# Altium PCB eeg.PcbDoc (part 1 of 2) (continued)
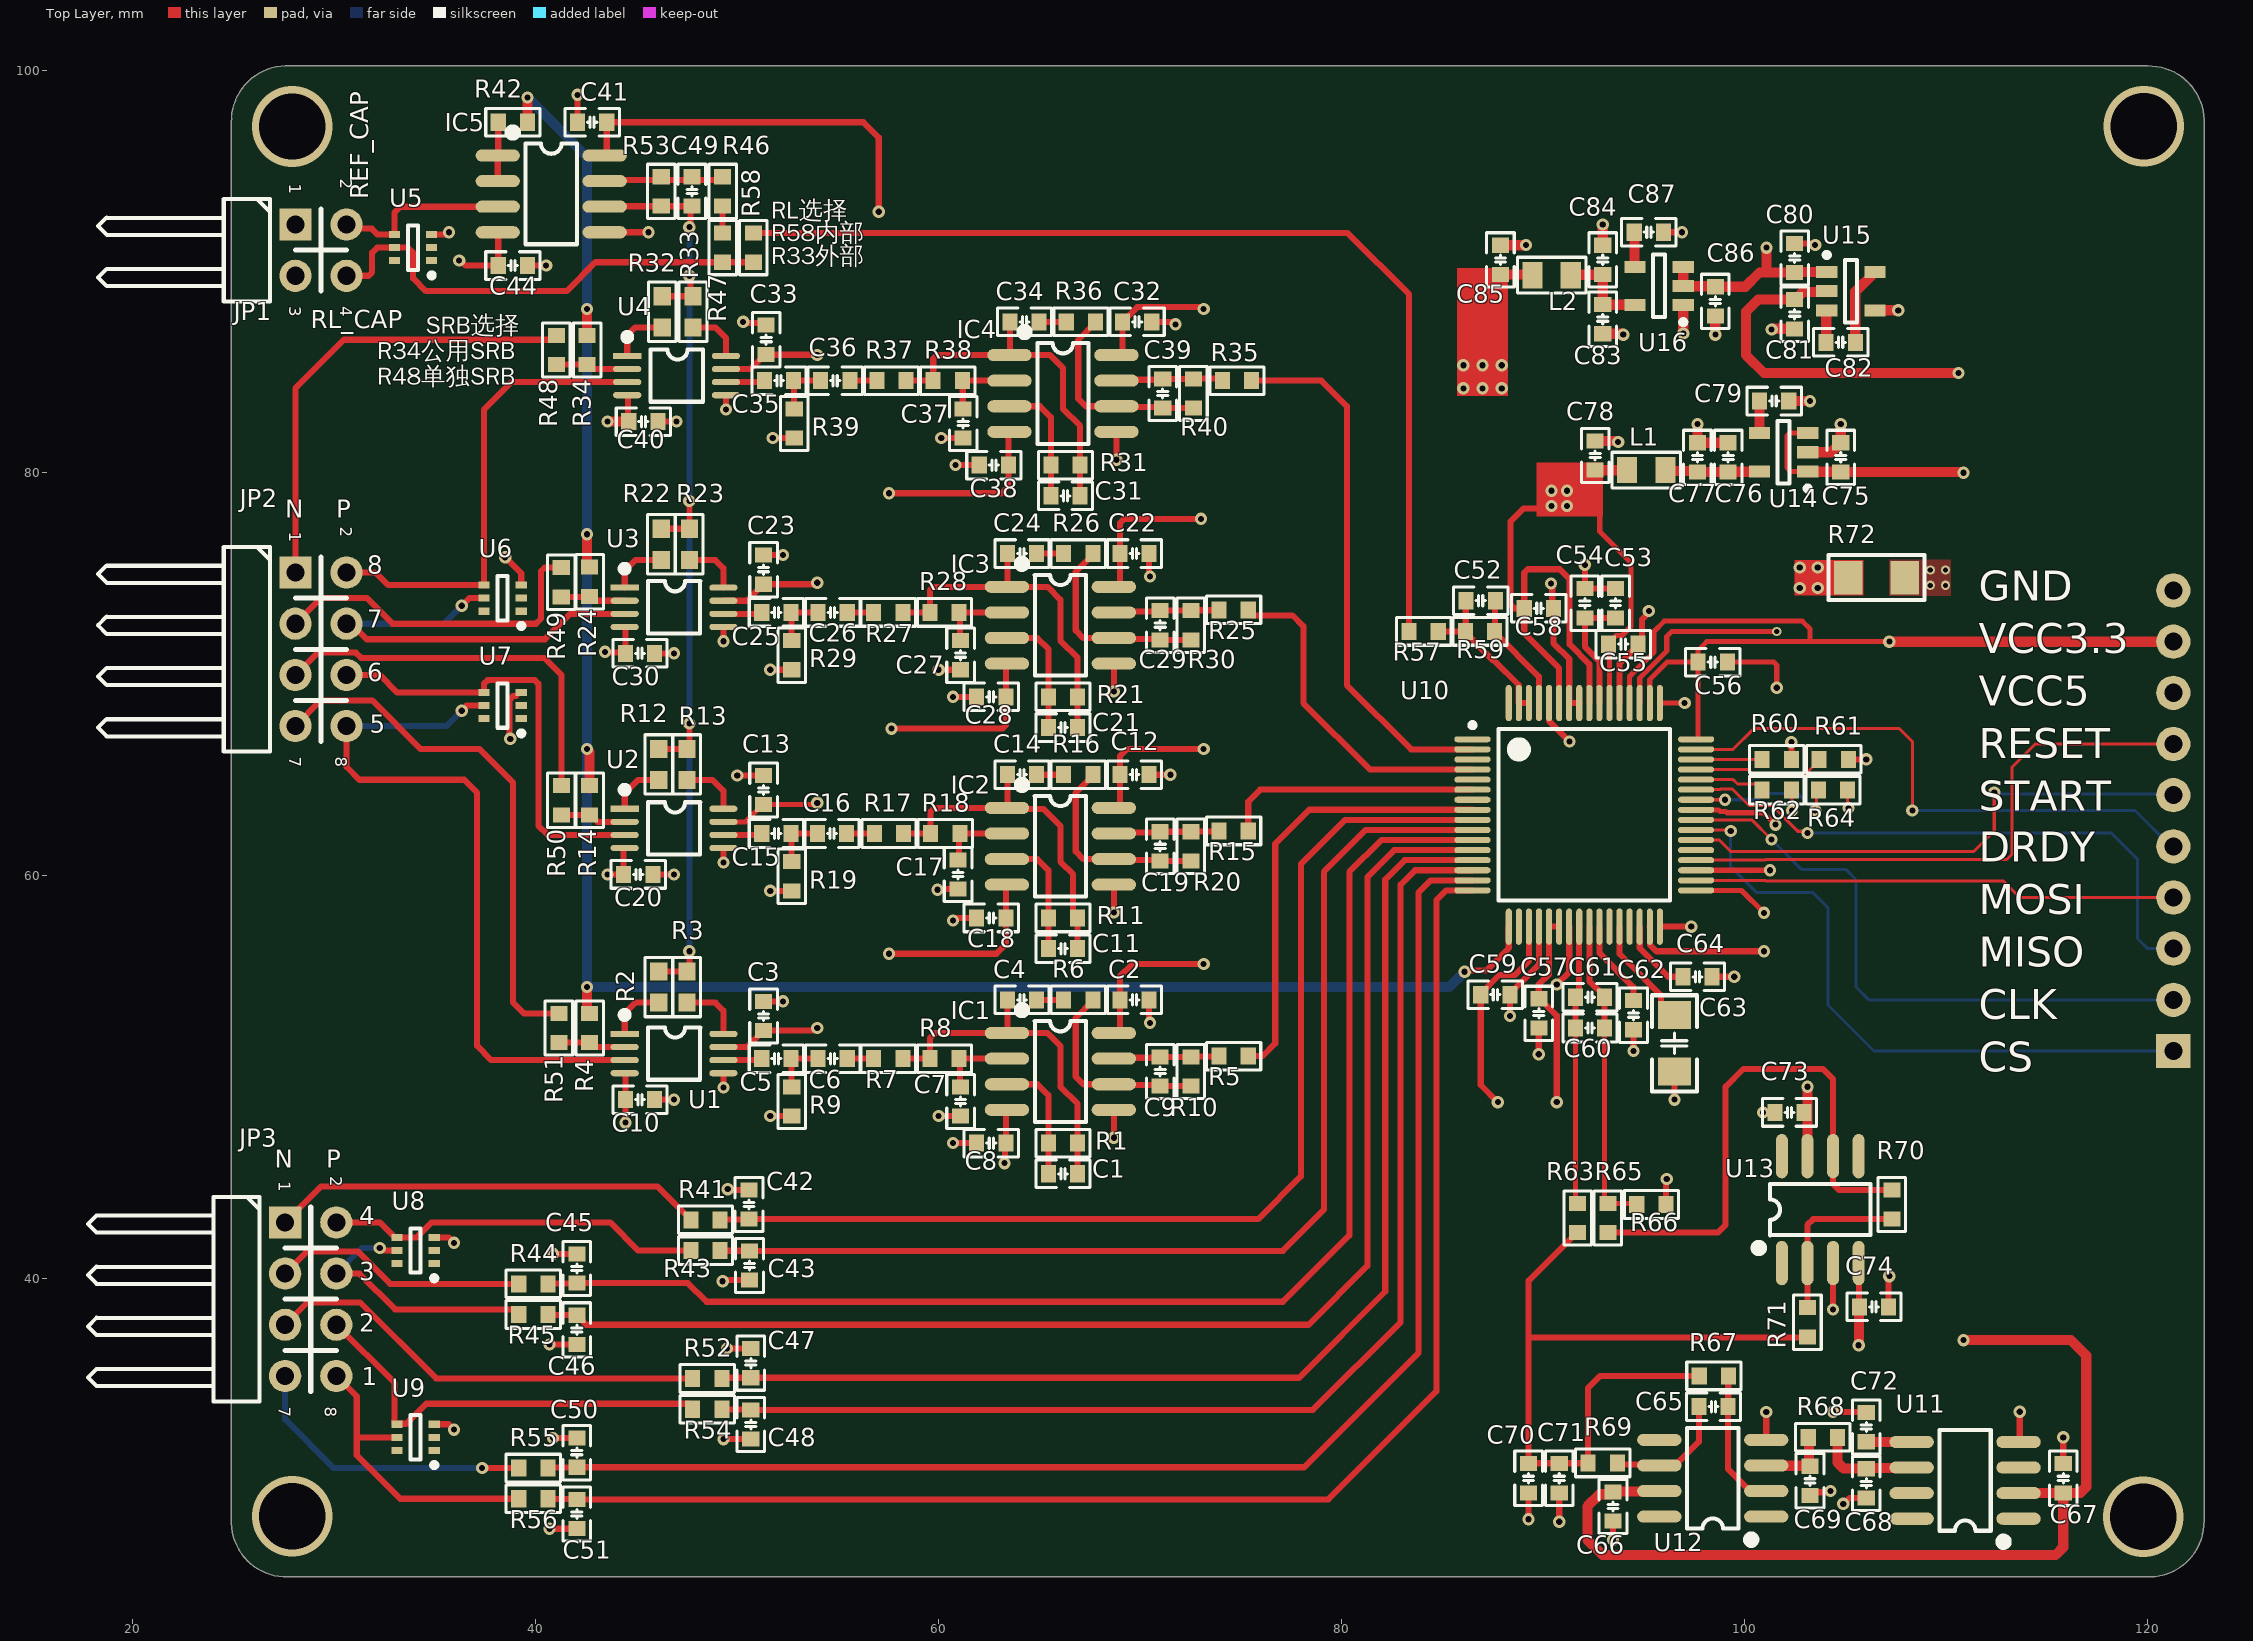
[diagram p0: Top Layer view]
## Layer stack, top to bottom (continued)

## Board outline
24.891,27.867 24.891,97.408 24.892,97.409 cw(c27.622,97.472) 27.559,100.203 119.921,100.203 120.015,100.203 cw(c120.078,97.472) 122.809,97.536 122.809,27.994 cw(c120.078,27.93) 120.142,25.2 120.047,25.2 27.685,25.2 cw(c27.622,27.93)

## Design rules (kind name [scope] priority, off if disabled: settings)
AcuteAngle [All] p1: minimum=4.50000000000000E+0001 checktracksonly=FALSE
BoardOutlineClearance [All] p1: gap=0 ignorepadtopadclearanceinfootprint=FALSE
Clearance [All] p1: gap=0.152 ignorepadtopadclearanceinfootprint=FALSE
DiffPairsRouting [All] p1: maxlimit=0.254 minlimit=0.152 mostfreqgap=0.254 toplayer_minwidth=0.152 toplayer_maxwidth=0.381 toplayer_prefwidth=0.254 midlayer1_minwidth=0.152 midlayer1_maxwidth=0.381 midlayer1_prefwidth=0.254 midlayer2_minwidth=0.152 midlayer2_maxwidth=0.381 midlayer2_prefwidth=0.254 bottomlayer_minwidth=0.152 bottomlayer_maxwidth=0.381 bottomlayer_prefwidth=0.254 maxuncoupledlength=12.7
Length [All] p1: maxlimit=2540 minlimit=0
MatchedLengths DiffPair_MatchedLengths [InDifferentialPair ('D')] p1: tolerance=0.127 checknetsindiffpair=FALSE checkdiffpairvsdiffpair=TRUE checkxsignals=TRUE checkothers=TRUE
MinimumAnnularRing [All] p1: minimumring=0.102
MinimumSolderMaskSliver [All] p1: minsoldermaskwidth=0.081
ParallelSegment [All] p1: limit=254 gap=0.254
PlaneClearance [All] p1: clearance=0.254
PlaneConnect [All] p1: planeconnectstyle=Direct reliefexpansion=0.508 reliefentries=4 reliefconductorwidth=0.254 reliefairgap=0.254
PolygonConnect [All] p1: connectstyle=Direct reliefconductorwidth=0.254 reliefentries=4 polygonreliefangle="90 Angle" airgapwidth=0.254
RoutingVias [All] p1: holewidth=0.305 width=0.508 viastyle="Through Hole" minholewidth=0.152 minwidth=0.254 maxholewidth=2.54 maxwidth=2.54
SilkToSilkClearance [All] p1: silktosilkclearance=0
SilkToSolderMaskClearance [IsPad] p1: minsilkscreentomaskgap=0 clearancetoexposedcopper=TRUE
SolderMaskExpansion [All] p1: expansion=0 istentingtop=FALSE
StubLength [All] p1: limit=25.4
UnRoutedNet [All] p1: checkbadconnections=TRUE
ViasUnderSMD [All] p1: allowed=TRUE
Width POWER [InNetClass('PWR')] p1: maxlimit=5.08 minlimit=0.254 preferedwidth=0.762
Width singal [All] p2: maxlimit=0.813 minlimit=0.102 preferedwidth=0.254
23 further rules are at their usual default settings.

## Classes and differential pairs
net class PWR: AGND AVCC-5 AVDD AVSS
component class signal3: C41 C42 C43 C44 C45 C46 C47 C48 C49 C50 C51 IC5 JP1 JP2 JP3 R41 R42 R43 R44 R45 R46 R47 R48 R49 R50 R51 R52 R53 R54 R55 R56 U5 U6 U7 U8 U9
component class signal2: C21 C22 C23 C24 C25 C26 C27 C28 C29 C30 C31 C32 C33 C34 C35 C36 C37 C38 C39 C40 IC3 IC4 R21 R22 R23 R24 R25 R26 R27 R28 R29 R30 R31 R32 R33 R34 R35 R36 R37 R38 R39 R40 U3 U4
component class signal1: C1 C2 C3 C4 C5 C6 C7 C8 C9 C10 C11 C12 C13 C14 C15 C16 C17 C18 C19 C20 IC1 IC2 R1 R2 R3 R4 R5 R6 R7 R8 R9 R10 R11 R12 R13 R14 R15 R16 R17 R18 R19 R20 U1 U2
component class ref: C65 C66 C68 C69 C70 C71 C72 C73 C74 R67 R68 R69 R70 R71 U11 U12 U13
component class power_ic: C75 C76 C77 C78 C79 C80 C81 C82 C83 C84 C85 C86 C87 L1 L2 R72 U14 U15 U16
component class ads1299: C52 C53 C54 C55 C56 C57 C58 C59 C60 C61 C62 C63 C64 JP4 R57 R58 R59 R60 R61 R62 R63 R64 R65 R66 U10

## Components (designator, comment, footprint, x,y, rotation, side; value= is the part's Value field where it differs from the comment)
C1 "10nF" C0603_L 66.167,45.212 r0 top
C2 "100nF" C0603_L 69.723,53.848 r0 top
C3 "100nF" C0603_L 51.308,53.049 r270 top
C4 "10uF" C0603_L 64.135,53.848 r0 top
C5 "4.7uF" C0603_L 51.943,50.927 r0 top
C6 "10uF" C0603_L 54.737,50.927 r0 top
C7 "100nF" C0603_L 61.087,48.805 r90 top
C8 "100nF" C0603_L 62.611,46.736 r180 top
C9 "1nF" C0603_L 70.993,50.292 r90 top
C10 "100nF" C0603_L 45.175,48.895 r180 top
C11 "10nF" C0603_L 66.167,56.388 r0 top
C12 "100nF" C0603_L 69.723,65.024 r0 top
C13 "100nF" C0603_L 51.308,64.262 r270 top
C14 "10uF" C0603_L 64.135,65.024 r0 top
C15 "4.7uF" C0603_L 51.943,62.103 r0 top
C16 "10uF" C0603_L 54.7,62.103 r0 top
C17 "100nF" C0603_L 60.96,60.071 r90 top
C18 "100nF" C0603_L 62.611,57.912 r180 top
C19 "1nF" C0603_L 70.993,61.468 r90 top
C20 "100nF" C0603_L 45.085,60.071 r180 top
C21 "10nF" C0603_L 66.167,67.363 r0 top
C22 "100nF" C0603_L 69.723,75.999 r0 top
C23 "100nF" C0603_L 51.308,75.2 r270 top
C24 "10uF" C0603_L 64.135,75.999 r0 top
C25 "4.7uF" C0603_L 51.943,73.078 r0 top
C26 "10uF" C0603_L 54.737,73.078 r0 top
C27 "100nF" C0603_L 61.087,70.956 r90 top
C28 "100nF" C0603_L 62.611,68.887 r180 top
C29 "1nF" C0603_L 70.993,72.443 r90 top
C30 "100nF" C0603_L 45.175,71.046 r180 top
C31 "10nF" C0603_L 66.294,78.867 r0 top
C32 "100nF" C0603_L 69.85,87.503 r0 top
C33 "100nF" C0603_L 51.435,86.614 r270 top
C34 "10uF" C0603_L 64.262,87.503 r0 top
C35 "4.7uF" C0603_L 52.07,84.582 r0 top
C36 "10uF" C0603_L 54.864,84.582 r0 top
C37 "100nF" C0603_L 61.214,82.46 r90 top
C38 "100nF" C0603_L 62.738,80.391 r180 top
C39 "1nF" C0603_L 71.12,83.947 r90 top
C40 "100nF" C0603_L 45.339,82.55 r180 top
C41 "100nF" C0603_L 42.799,97.409 r180 top
C42 "4.7nF" C0603_L 50.583,43.688 r270 top
C43 "4.7nF" C0603_L 50.609,40.664 r270 top
C44 "100nF" C0603_L 38.862,90.297 r0 top
C45 "4.7nF" C0603_L 42.037,40.513 r270 top
C46 "4.7nF" C0603_L 42.037,37.465 r270 top
C47 "4.7nF" C0603_L 50.673,35.814 r270 top
C48 "4.7nF" C0603_L 50.673,32.766 r270 top
C49 "1.5nF" C0603_L 47.752,93.98 r90 top
C50 "4.7nF" C0603_L 42.037,31.369 r270 top
C51 "4.7nF" C0603_L 42.037,28.321 r270 top
C52 "1.5nF" C0603_L 86.905,73.66 r180 top
C53 "100nF" C0603_L 93.599,73.533 r270 top
C54 "1uF" C0603_L 92.075,73.533 r270 top
C55 "1uF" C0603_L 93.98,71.501 r180 top
C56 "1uF" C0603_L 98.425,70.612 r180 top
C57 "1uF" C0603_L 89.789,53.176 r90 top
C58 "1uF" C0603_L 89.789,73.279 r180 top
C59 "1uF" C0603_L 87.63,54.102 r180 top
C60 "10uF" C0603_L 92.329,52.451 r180 top
C61 "100nF" C0603_L 92.329,53.975 r180 top
C62 "1uF" C0603_L 94.488,53.086 r90 top
C63 "100uF" C1206_L 96.52,51.689 r270 top
C64 "1uF" C0603_L 97.663,54.991 r180 top
C65 "150nF" C0603_L 98.462,33.655 r180 top
C66 "100nF" C0603_L 93.472,28.702 r270 top
C67 "1uF" C0603_L 115.824,30.099 r270 top
C68 "10uF" C0603_L 106.045,29.845 r90 top
C69 "10uF" C0603_L 103.251,29.972 r90 top
C70 "100nF" C0603_L 89.281,30.099 r270 top
C71 "10uF" C0603_L 90.805,30.099 r270 top
C72 "1uF" C0603_L 106.045,32.639 r270 top
C73 "100nF" C0603_L 102.235,48.26 r0 top
C74 "100nF" C0603_L 106.426,38.608 r180 top
C75 "2.2uF" C0603_L 104.775,80.775 r270 top
C76 "2.2uF" C0603_L 99.187,80.775 r270 top
C77 "10uF" C0603_L 97.663,80.775 r90 top
C78 "10uF" C0603_L 92.583,80.865 r90 top
C79 "10nF" C0603_L 101.473,83.569 r0 top
C80 "1uF" C0603_L 102.489,90.675 r90 top
C81 "1uF" C0603_L 102.489,87.881 r90 top
C82 "1uF" C0603_L 104.775,86.484 r0 top
C83 "2.2uF" C0603_L 92.964,87.633 r90 top
C84 "10uF" C0603_L 92.964,90.58 r90 top
C85 "10uF" C0603_L 87.884,90.58 r90 top
C86 "2.2uF" C0603_L 98.552,88.519 r90 top
C87 "10nF" C0603_L 95.25,91.951 r0 top
IC1 "ADA4522-2ARZ" SOIC-8 66.04,50.292 r0 top
IC2 "ADA4522-2ARZ" SOIC-8 66.04,61.468 r0 top
IC3 "ADA4522-2ARZ" SOIC-8 66.04,72.443 r0 top
IC4 "ADA4522-2ARZ" SOIC-8 66.167,83.947 r0 top
IC5 "ADA4522-2ARZ" SOIC-8 40.767,93.853 r0 top
JP1 "Header2X2" HDR2.54-WI-2x2P 29.337,91.059 r270 top
JP2 "Header 4X2" HDR2.54-WI-2x4P 29.337,71.247 r270 top
JP3 "Header 4X2" HDR2.54-WI-2x4P 28.829,38.989 r270 top
JP4 "HDR-1X10" HDR2.54-LI-10P 121.285,62.738 r90 bottom
L1 "3.3uH" L0805 95.123,80.14 r180 top
L2 "3.3uH" L0805 90.424,89.818 r180 top
R1 "2M" R0603_L 66.167,46.736 r180 top
R2 "5.49K 0,01%" R0603_M 46.101,54.483 r90 top
R3 "5.49K 0,01%" R0603_M 47.498,54.483 r270 top
R4 "0R" R0603_L 42.672,52.451 r270 top
R5 "0R" R0603_L 74.639,51.054 r180 top
R6 "20K 1%" R0603_L 66.929,53.848 r180 top
R7 "10K 1%" R0603_L 57.494,50.927 r180 top
R8 "10K 1%" R0603_L 60.288,50.927 r180 top
R9 "330K 1%" R0603_L 52.705,48.805 r90 top
R10 "470K 1%" R0603_L 72.517,50.292 r270 top
R11 "2M" R0603_L 66.167,57.912 r180 top
R12 "5.49K 0,01%" R0603_M 46.101,65.532 r90 top
R13 "5.49K 0,01%" R0603_M 47.498,65.532 r270 top
R14 "0R" R0603_L 42.672,63.754 r270 top
R15 "0R" R0603_L 74.639,62.23 r180 top
R16 "20K 1%" R0603_L 66.929,65.024 r180 top
R17 "10K 1%" R0603_L 57.531,62.103 r180 top
R18 "10K 1%" R0603_L 60.325,62.103 r180 top
R19 "330K 1%" R0603_L 52.705,59.981 r90 top
R20 "470K 1%" R0603_L 72.517,61.468 r270 top
R21 "2M" R0603_L 66.167,68.887 r180 top
R22 "5.49K 0,01%" R0603_M 46.228,76.454 r90 top
R23 "5.49K 0,01%" R0603_M 47.625,76.454 r270 top
R24 "0R" R0603_L 42.672,74.602 r270 top
R25 "0R" R0603_L 74.639,73.205 r180 top
R26 "20K 1%" R0603_L 66.929,75.999 r180 top
R27 "10K 1%" R0603_L 57.494,73.078 r180 top
R28 "10K 1%" R0603_L 60.288,73.078 r180 top
R29 "330K 1%" R0603_L 52.705,70.956 r90 top
R30 "470K 1%" R0603_L 72.517,72.443 r270 top
R31 "2M" R0603_L 66.294,80.391 r180 top
R32 "5.49K 0,01%" R0603_M 46.28,87.999 r90 top
R33 "5.49K 0,01%" R0603_M 47.804,87.999 r270 top
R34 "0R" R0603_L 42.545,86.106 r270 top
R35 "0R" R0603_L 74.803,84.582 r180 top
R36 "20K 1%" R0603_L 67.056,87.503 r180 top
R37 "10K 1%" R0603_L 57.658,84.582 r180 top
R38 "10K 1%" R0603_L 60.452,84.582 r180 top
R39 "330K 1%" R0603_L 52.832,82.46 r90 top
R40 "470K 1%" R0603_L 72.644,83.947 r270 top
R41 "5.1K" R0603_L 48.424,42.926 r0 top
R42 "0R" R0603_L 38.862,97.409 r180 top
R43 "5.1K" R0603_L 48.424,41.402 r0 top
R44 "5.1K" R0603_L 39.878,39.751 r0 top
R45 "5.1K" R0603_L 39.878,38.227 r0 top
R46 "100K" R0603_L 49.276,93.98 r90 top
R47 "0R" R0603_L 49.276,91.186 r90 top
R48 "0R_N" R0603_L 41.021,86.106 r270 top
R49 "0R_N" R0603_L 41.264,74.577 r270 top
R50 "0R_N" R0603_L 41.275,63.754 r270 top
R51 "0R_N" R0603_L 41.148,52.451 r270 top
R52 "5.1K" R0603_L 48.514,35.052 r0 top
R53 "1MR" R0603_L 46.228,93.98 r270 top
R54 "5.1K" R0603_L 48.514,33.528 r0 top
R55 "5.1K" R0603_L 39.878,30.607 r0 top
R56 "5.1K" R0603_L 39.878,29.083 r0 top
R57 "100K" R0603_L 84.074,72.136 r180 top
R58 "0R_N" R0603_L 50.8,91.186 r90 top
R59 "1M" R0603_L 86.868,72.136 r0 top
R60 "100K" R0603_L 101.6,65.786 r0 top
R61 "100K" R0603_L 104.431,65.786 r0 top
R62 "100K" R0603_L 101.6,64.262 r0 top
R63 "0R" R0603_L 91.715,43.019 r270 top
R64 "100K" R0603_L 104.394,64.262 r0 top
R65 "0R" R0603_L 93.218,43.016 r270 top
R66 "0R_N" R0603_L 95.377,43.688 r0 top
R67 "2K" R0603_L 98.477,35.178 r180 top
R68 "1K" R0603_L 103.886,32.131 r180 top
R69 "47" R0603_L 92.964,30.861 r180 top
R70 "20K 0.1%" R0603_L 107.315,43.688 r90 top
R71 "20K 0.1%" R0603_L 103.124,37.846 r90 top
R72 "0R" R1206_L 106.553,74.803 r0 top
U1 "INA333AIDGKR" MSOP8_N 46.863,51.181 r270 top
U2 "INA333AIDGKR" MSOP8_N 46.863,62.357 r270 top
U3 "INA333AIDGKR" MSOP8_N 46.863,73.332 r270 top
U4 "INA333AIDGKR" MSOP8_N 46.99,84.836 r270 top
U5 "TPD4E1B06DCKR" SOT363_N 33.909,91.186 r180 top
U6 "TPD4E1B06DCKR" SOT363_N 38.354,73.787 r180 top
U7 "TPD4E1B06DCKR" SOT363_N 38.354,68.453 r180 top
U8 "TPD4E1B06DCKR" SOT363_N 34.036,41.402 r180 top
U9 "TPD4E1B06DCKR" SOT363_N 34.036,32.131 r180 top
U10 "ADS1299IPAGR" TQFP64_N 92.047,63.03 r0 top
U11 "REF5025AIDR" SOIC-8 110.952,29.996 r180 top
U12 "OPA388" SOIC-8 98.425,30.099 r180 top
U13 "OPA388" SOIC-8 103.759,43.434 r90 top
U14 "TPS73225DBVR" SOT23-5 101.935,81.029 r180 top
U15 "TPS60403DBVR" SOT23-5 105.283,89.024 r0 top
U16 "TPS72325DBVT" SOT23-5 95.758,89.284 r180 top

## Footprints (in the part's own frame and the unit in brackets; to place one, negate y for a bottom-side part, rotate by r counter-clockwise, add the part's x,y. Pads: shape width x height; smd on the part's side, far side on the other; paste and mask are expansions set on the pad)
C0603_L [mm] "贴片MLCC电容"
  rect 0.75x0.85 smd: 1(-0.725,0) 2(0.725,0)
  silkscreen extent -1.35,-0.69 1.35,0.69, body extent -0.8,-0.4 0.8,0.4, height 0.8
C1206_L [mm] "贴片MLCC电容"
  rect 1.4x1.65 smd: 1(-1.4,0) 2(1.4,0)
  silkscreen extent -2.39,-1.12 2.39,1.12, body extent -1.6,-0.8 1.6,0.8, height 1.1
HDR2.54-LI-10P [mm] "排针，10脚   淘宝ID:黄晶宝石   店铺网址:https://shop463601444.taobao.com"
  rect 1.7x1.7 hole 0.9: 1(-11.43,0)
  round 1.7 hole 0.9: 2(-8.89,0) 3(-6.35,0) 4(-3.81,0) 5(-1.27,0) 6(1.27,0) 7(3.81,0) 8(6.35,0) 9(8.89,0) 10(11.43,0)
  silkscreen extent -12.7,-1.27 12.7,1.27, body extent -12.7,-1.27 12.7,1.27, height 2.54
HDR2.54-WI-2x2P [mm] "双排弯脚排针，2x2脚"
  rect 1.6x1.6 hole 0.9: 1(-1.27,-1.27)
  round 1.6 hole 0.9: 2(-1.27,1.27) 3(1.27,-1.27) 4(1.27,1.27)
  silkscreen extent -2.54,-11.06 2.54,1.27, body extent -2.54,-11.23 2.54,1.62, height 5.1
HDR2.54-WI-2x4P [mm] "双排弯脚排针，4x2脚"
  rect 1.6x1.6 hole 0.9: 1(-3.81,-1.27)
  round 1.6 hole 0.9: 2(-3.81,1.27) 3(-1.27,-1.27) 4(-1.27,1.27) 5(1.27,-1.27) 6(1.27,1.27) 7(3.81,-1.27) 8(3.81,1.27)
  silkscreen extent -5.08,-11.06 5.08,1.27, body extent -5.08,-11.23 5.08,1.62, height 5.1
L0805 [mm] "0805贴片叠层电感                     联系卖家 免费人工查找封装"
  rect 1x1.3 smd: 1(-0.95,0) 2(0.95,0)
  silkscreen extent -1.7,-0.89 1.7,0.89, body extent -1,-0.65 1,0.65, height 1.3
MSOP8_N [mm] "塑封体长3mm，宽3mm，脚距0.65     淘宝ID:黄晶宝石"
  rect 0.305x1.4 smd: 1(-0.975,-2.45)
  oval 0.305x1.4 smd: 2(-0.325,-2.45) 3(0.325,-2.45) 4(0.975,-2.45) 5(0.975,2.45) 6(0.325,2.45) 7(-0.325,2.45) 8(-0.975,2.45)
  silkscreen extent -2.07,-2.6 1.3,1.3, body extent -1.5,-2.45 1.5,2.45, height 0.95
R0603_L [mm] "1/10W贴片电阻"
  rect 0.75x0.85 smd: 1(-0.725,0) 2(0.725,0)
  silkscreen extent -1.35,-0.69 1.35,0.69, body extent -0.8,-0.4 0.8,0.4, height 0.4
R0603_M [mm] "1/10W贴片电阻"
  rect 0.9x0.85 smd: 1(-0.775,0) 2(0.775,0)
  silkscreen extent -1.48,-0.69 1.48,0.69, body extent -0.8,-0.4 0.8,0.4, height 0.4
R1206_L [mm] "1/4W贴片电阻"
  rect 1.4x1.65 smd: 1(-1.4,0) 2(1.4,0)
  silkscreen extent -2.39,-1.12 2.39,1.12, body extent -1.6,-0.8 1.6,0.8, height 0.56
SOIC-8 [mm]
  oval 2.2x0.6 smd: 1(-2.654,1.905) 2(-2.654,0.635) 3(-2.654,-0.635) 4(-2.654,-1.905) 5(2.654,-1.905) 6(2.654,-0.635) 7(2.654,0.635) 8(2.654,1.905)
  silkscreen extent -2.06,-2.5 1.27,3.2, body extent -3,-2.5 3,2.5, height 1.9
SOT23-5 [mm] "SOT23, 5-Leads, Body 2.9x1.6mm, Pitch 0.95mm, IPC Medium Density                联系卖家 免费查找封装"
  rect 1.05x0.6 smd: 1(-1.2,0.95) 2(-1.2,0) 3(-1.2,-0.95) 4(1.2,-0.95) 5(1.2,0.95)
  silkscreen extent -1.32,-1.55 0.3,1.92, body extent -1.4,-1.5 1.4,1.5, height 1.15
SOT363_N [mm] "SOT23, 6-Leads, Body 2.2x1.35mm, Pitch 0.65mm, IPC Medium Density               联系卖家 免费查找封装"
  rect 0.55x0.35 smd: 1(-0.925,0.65) 2(-0.925,0) 3(-0.925,-0.65) 4(0.925,-0.65) 5(0.925,0) 6(0.925,0.65)
  silkscreen extent -1.05,-1.1 0.25,1.5, body extent -1.05,-1.07 1.05,1.08, height 1.1
TQFP64_N [mm] "Thin QFP, 64-Leads, Body 10x10mm, Pitch 0.5mm, IPC Medium Density封装库来自淘宝 ID：黄晶宝石"
  oval 1.8x0.3 smd: 1(-5.55,3.75) 2(-5.55,3.25) 3(-5.55,2.75) 4(-5.55,2.25) 5(-5.55,1.75) 6(-5.55,1.25) 7(-5.55,0.75) 8(-5.55,0.25) 9(-5.55,-0.25) 10(-5.55,-0.75) 11(-5.55,-1.25) 12(-5.55,-1.75) 13(-5.55,-2.25) 14(-5.55,-2.75) 15(-5.55,-3.25) 16(-5.55,-3.75) 33(5.55,-3.75) 34(5.55,-3.25) 35(5.55,-2.75) 36(5.55,-2.25) 37(5.55,-1.75) 38(5.55,-1.25) 39(5.55,-0.75) 40(5.55,-0.25) 41(5.55,0.25) 42(5.55,0.75) 43(5.55,1.25) 44(5.55,1.75) 45(5.55,2.25) 46(5.55,2.75) 47(5.55,3.25) 48(5.55,3.75)
  oval 0.3x1.8 smd: 17(-3.75,-5.55) 18(-3.25,-5.55) 19(-2.75,-5.55) 20(-2.25,-5.55) 21(-1.75,-5.55) 22(-1.25,-5.55) 23(-0.75,-5.55) 24(-0.25,-5.55) 25(0.25,-5.55) 26(0.75,-5.55) 27(1.25,-5.55) 28(1.75,-5.55) 29(2.25,-5.55) 30(2.75,-5.55) 31(3.25,-5.55) 32(3.75,-5.55) 49(3.75,5.55) 50(3.25,5.55) 51(2.75,5.55) 52(2.25,5.55) 53(1.75,5.55) 54(1.25,5.55) 55(0.75,5.55) 56(0.25,5.55) 57(-0.25,5.55) 58(-0.75,5.55) 59(-1.25,5.55) 60(-1.75,5.55) 61(-2.25,5.55) 62(-2.75,5.55) 63(-3.25,5.55) 64(-3.75,5.55)
  silkscreen extent -5.67,-4.25 4.25,4.57, body extent -6,-6 6,6, height 1.05

## Part data
C1 C2 C3 C4 C5 C6 C7 C8 C9 C10 C11 C12 C13 C14 C15 C16 C17 C18 C19 C20 C21 C22 C23 C24 C25 C26 C27 C28 C29 C30 C31 C32 C33 C34 C35 C36 C37 C38 C39 C40 C41 C42 C43 C44 C45 C46 C47 C48 C49 C50 C51 C52 C53 C54 C55 C56 C57 C58 C59 C60 C61 C62 C64 C65 C66 C67 C68 C69 C70 C71 C72 C73 C74 C75 C76 C77 C78 C79 C80 C81 C82 C83 C84 C85 C86 C87: library part C, "贴片电容/MLCC电容", BOM名称=无极性贴片电容, 联系下单店铺卖家 免费帮你查找封装="联系下单店铺卖家 免费技术指导"
C63: library part C, "贴片电容/MLCC电容", jlc_id=C7432784, BOM名称=无极性贴片电容, 联系下单店铺卖家 免费帮你查找封装="联系下单店铺卖家 免费技术指导"
IC1 IC2 IC3 IC4 IC5: "双通道55V、EMI增强型、零漂移、超低噪声、RRO运算放大器", jlc_id=C403697, BOM名称=双路运放, 封装库来自淘宝卖家：黄晶宝石=其他店铺购入均为赃物，无售后更新权益，请立即申请退款，退款后现金奖励200~1000元
JP1: library part "Header 2X2", "2*2P接插件", BOM名称=2*2P接插件, 封装库来自淘宝卖家ID：黄晶宝石=其他店铺购入均为盗版封装库，请立即申请退款，本店现金奖励50~200元, 联系卖家，免费查找封装=唯一出售店铺网址https://shop463601444.taobao.com
JP2 JP3: "4*2P接插件", BOM名称=4*2P接插件, 封装库来自淘宝卖家ID：黄晶宝石=其他店铺购入均为盗版封装库，请立即申请退款，本店现金奖励50~200元, 联系卖家，免费查找封装=唯一出售店铺网址https://shop463601444.taobao.com
JP4: library part "Header 10", "10P接插件", BOM名称=10P接插件, 封装库来自淘宝卖家ID：黄晶宝石=其他店铺购入均为盗版封装库，请立即申请退款，本店现金奖励50~200元, 联系卖家，免费查找封装=唯一出售店铺网址https://shop463601444.taobao.com
L1 L2: library part L, "贴片小功率电感", jlc_id=C162585, BOM名称=小功率贴片电感, 联系下单店铺卖家 免费帮你查找封装="联系下单店铺卖家 免费技术指导"
R1 R2 R3 R4 R5 R6 R7 R8 R9 R10 R11 R12 R13 R14 R15 R16 R17 R18 R19 R20 R21 R22 R23 R24 R25 R26 R27 R28 R29 R30 R31 R32 R33 R34 R35 R36 R37 R38 R39 R40 R41 R42 R43 R44 R45 R46 R47 R48 R49 R50 R51 R52 R53 R54 R55 R56 R57 R58 R59 R60 R61 R62 R63 R64 R65 R66 R67 R68 R69 R70 R71 R72: library part R, "贴片电阻", BOM名称=贴片电阻, 联系下单店铺卖家 免费帮你查找封装="联系下单店铺卖家 免费技术指导"
U1 U2 U3 U4: "INA333 低功耗、零漂移、精密仪表放大器", jlc_id=C19450
U5 U6 U7 U8 U9: "具有 0.5nA 最大泄漏电流的四路 0.7pF、±5.5V、±12kV ESD 保护二极管", jlc_id=C840093
U10: "24位、多通道EEG/ECG ADC，内置增益放大", jlc_id=C476817, JLCPCB Part Class=扩展库, LCSC Part Name="ADS1299-x 低噪声、4/6/8通道、24bit 、同时采样模数转换器，用于EEG和生物电bit 测量", Manufacturer=TI(德州仪器), Supply Voltage=5V；1.8V~3.6V, Add into BOM=yes, Convert to PCB=yes, Datasheet=https://www.ti.com/cn/lit/gpn/ads1299, Device=ADS1299IPAGR, Manufacturer Part=ADS1299IPAGR, Supplier=LCSC, Supplier Footprint=TQFP-64(10x10), Supplier Part=C476817, Symbol=ADS1299IPAGR
U11: "2.5V、3μVpp/V 噪声、3ppm/°C 温漂、精密串联电压基准", jlc_id=C544535
U12 U13: "OPA388 单路、10MHz、CMOS、零温漂、零交叉、真 RRIO 精密运算放大器", jlc_id=C11341
U14: "2.5V输出LDO 30uVRMS 精度1%"
U15: "60mA 充电泵电压反向器 250khz"
U16: "200mA 负输出低压降线性稳压器 5-SOT-23 -40 to 125", jlc_id=C2864241

## Via types
v1: diameter 0.61, hole 0.305, Top Layer to Bottom Layer, tented both sides, 158 vias
v2: diameter 0.457, hole 0.254, Top Layer to Bottom Layer, tented both sides, 5 vias
v3: diameter 4, hole 3.3, Top Layer to Bottom Layer, 4 vias

## Nets (pads, with @x,y where several pads share a name; then routed paths per layer and width w, separated by ;. In a path a pad name is that pad's centre, name@x,y a point inside that pad or via, vN(x,y) a via of type N, cw(c..) or ccw(c..) an arc to the next point about the centre after c; other vN are vias at no path point)
AGND: C2.2 C3.1 C7.1 C8.2 C10.1 C12.2 C13.1 C17.1 C18.2 C20.1 C22.2 C23.1 C27.1 C28.2 C30.1 C32.2 C33.1 C37.1 C38.2 C40.1 C41.2 C42.1 C43.2 C44.2 C45.1 C46.2 C47.1 C48.2 C50.1 C51.2 C66.2 C67.1 C68.1 C69.1 C70.2 C71.2 C72.1 C73.1 C74.1 C75.1 C76.1 C77.2 C78.2 C79.2 C80.2 C81.1 C83.1 C84.2 C85.2 C86.1 C87.2 IC1.5 IC2.5 IC3.5 IC4.5 IC5.5 R9.1 R19.1 R29.1 R39.1 R72.1 U1.5 U2.5 U3.5 U4.5 U5.3 U6.3 U7.3 U8.3 U9.3 U10.60 U11.4 U12.4 U13.3 U14.2 U15.4 U16.1 | length 92.8
  Top Layer w0.305: U5.3@34.834,91.836 35.575,91.836 v1(35.687,91.948) ; U9.3@34.961,32.781 35.672,32.781 v1(35.941,32.512) ; U8.3@34.961,42.052 35.672,42.052 v1(35.941,41.783) ; v1(38.481,75.819) 39.279,75.021 U6.3@39.279,74.437 ; v1(38.735,66.802) 38.699,66.838 38.699,68.754 38.878,68.933 39.009,68.933 39.179,69.103 U7.3@39.279,69.103 ; C44.2@39.587,90.297 v1(40.513,90.297) ; v1(40.677,27.596) C51.2@42.037,27.596 ; v1(40.677,36.74) C46.2@42.037,36.74 ; v1(40.857,32.094) C50.1@42.037,32.094 ; v1(40.857,41.238) C45.1@42.037,41.238 ; C41.2@42.074,97.409 v1(42.074,98.769) ; IC5.5@43.421,91.948 v1(45.593,91.948) ; C20.1@45.81,60.071 v1(46.863,60.071) ; C10.1@45.9,48.895 v1(46.863,48.895) ; C30.1@45.9,71.046 v1(46.863,71.046) ; C40.1@46.064,82.55 v1(46.99,82.55) ; v1(49.276,39.878) 49.337,39.939 C43.2@50.609,39.939 ; v1(49.313,32.041) C48.2@50.673,32.041 ; v1(49.313,49.493) U1.5@49.313,50.206 ; v1(49.313,60.669) U2.5@49.313,61.382 ; v1(49.313,71.644) U3.5@49.313,72.357 ; v1(49.44,83.148) U4.5@49.44,83.861 ; v1(49.493,36.539) C47.1@50.673,36.539 ; v1(49.53,44.45) 49.567,44.413 C42.1@50.583,44.413 ; v1(50.001,64.987) C13.1@51.308,64.987 ; v1(50.292,87.503) 50.35,87.445 51.213,87.445 51.271,87.503 C33.1@51.435,87.339 ; C3.1@51.308,53.774 51.309,53.773 v1(52.271,53.772) v1(52.271,53.772) ; C23.1@51.308,75.925 v1(52.271,75.925) ; v1(51.636,48.08) R9.1@52.705,48.08 ; v1(51.636,59.256) R19.1@52.705,59.256 ; v1(51.636,70.231) R29.1@52.705,70.231 ; v1(51.763,81.735) R39.1@52.832,81.735 ; v1(59.944,59.309) 59.981,59.346 C17.1@60.96,59.346 ; v1(59.997,48.08) C7.1@61.087,48.08 ; v1(59.997,70.231) C27.1@61.087,70.231 ; v1(60.124,81.735) C37.1@61.214,81.735 ; v1(60.706,46.736) C8.2@61.886,46.736 ; v1(60.706,57.785) 60.788,57.785 60.915,57.912 C18.2@61.886,57.912 ; v1(60.706,68.887) C28.2@61.886,68.887 ; v1(60.833,80.391) C38.2@62.013,80.391 ; v1(68.694,47.003) IC1.5@68.694,48.387 ; v1(68.694,58.179) IC2.5@68.694,59.563 ; v1(68.694,69.154) IC3.5@68.694,70.538 ; v1(68.821,80.658) IC4.5@68.821,82.042 ; C2.2@70.448,53.848 70.448,52.742 v1(70.485,52.705) ; C12.2@70.448,65.024 v1(71.501,65.024) ; C22.2@70.448,75.999 70.448,74.893 v1(70.485,74.856) ; C32.2@70.575,87.503 71.628,87.503 v1(71.755,87.376) ; v1(89.281,28.067) C70.2@89.281,29.374 ; U10.60@90.297,68.58 90.299,68.578 90.299,67.684 91.309,66.675 v1(91.313,66.675) ; v1(90.805,27.94) C71.2@90.805,29.374 ; v1(93.472,27.051) C66.2@93.472,27.977 ; C87.2@95.975,91.951 96.898,91.951 v1(96.901,91.948) ; v1(100.914,48.26) C73.1@101.51,48.26 ; U12.4@101.079,32.004 v1(101.079,33.388) ; C80.2@102.489,91.4 103.418,91.4 v1(103.505,91.313) ; C69.1@103.251,29.247 103.41,29.406 104.209,29.406 v1(104.267,29.464) ; v1(104.394,33.401) 104.412,33.383 106.026,33.383 C72.1@106.045,33.364 ; v1(104.394,38.481) U13.3@104.394,40.78 ; v1(104.902,28.829) 104.93,28.829 105.221,29.12 C68.1@106.045,29.12 ; C74.1@107.151,38.608 107.151,40.095 v1(107.188,40.132) ; U11.4@113.538,31.969 113.597,31.969 113.665,32.037 v1(113.665,33.401) ; v1(115.824,32.131) 115.824,30.978 C67.1@115.941,30.861
  Top Layer w0.508: C85.2@87.884,91.305 89.146,91.305 v1(89.154,91.313) ; C78.2@92.583,81.59 93.642,81.59 93.699,81.534 v1(93.726,81.534) ; C83.1@92.964,86.908 93.94,86.908 v1(93.98,86.868) ; C84.2@92.964,91.305 v1(92.964,92.329) ; v1(96.958,86.925) U16.1@96.958,88.334 ; v1(97.663,82.423) C77.2@97.663,81.5 C76.1@99.187,81.5 ; v1(98.552,86.868) C86.1@98.552,87.794 ; v1(101.346,87.122) 101.38,87.156 C81.1@102.489,87.156 ; C79.2@102.198,83.569 103.248,83.569 v1(103.251,83.566) ; U14.2@103.135,81.029 104.304,81.029 104.604,81.329 104.604,81.379 104.725,81.5 C75.1@104.775,81.5 v1(104.775,82.423) ; U15.4@106.483,88.074 v1(107.632,88.074)
  other v1: 102.743,74.295 103.632,74.295 102.743,75.311 103.632,75.311
AVCC-5: C74.2 C80.1 C86.2 U13.4 U15.1 U16.2 U16.3 | length 72.3
  Top Layer w0.305: U13.4@105.664,40.78 105.683,40.761 C74.2@105.683,38.626
  Top Layer w0.508: U16.3@97.004,90.188 U16.3@96.958,90.234 U16.2@96.958,89.284 96.978,89.264 98.532,89.264 C86.2@98.552,89.244 100.039,89.244 100.745,89.95 101.092,89.95 ; v1(101.092,91.186) 101.092,89.95 ; C80.1@102.489,89.95 101.092,89.95 ; C80.1@102.551,89.974 U15.1@104.083,89.974 ; v1(105.664,36.703) 105.683,36.722 C74.2@105.683,38.626
  Top Layer w0.635: C80.1@102.489,89.95 102.527,89.95 C80.1@102.551,89.974
  Layer 2 w0.508: v1(101.092,91.186) 101.092,89.027 100.203,88.138 100.203,39.751 103.251,36.703 v1(105.664,36.703)
AVDD: C2.1 C3.2 C12.1 C13.2 C22.1 C23.2 C32.1 C33.2 C41.1 C55.2 C57.2 C58.2 C59.2 C78.1 IC1.8 IC2.8 IC3.8 IC4.8 IC5.8 L1.2 U1.7 U2.7 U3.7 U4.7 U10.19 U10.21 U10.22 U10.54 U10.56 U10.59 | length 281.8
  Top Layer w0.254: IC5.8@43.421,95.758 IC5.8@43.524,95.861 ; U2.7@49.313,62.682 50.403,62.682 51.258,63.537 C13.2@51.308,63.537 53.885,63.537 v1(53.975,63.627) ; 92.456,78.359 92.812,78.003 92.812,77.092 94.361,75.543 94.361,72.375 93.917,71.93 93.634,71.93 93.295,71.591 93.295,68.582 U10.54@93.297,68.58
  Top Layer w0.305: IC5.8@43.524,95.861 C41.1@43.524,97.409 56.261,97.409 57.023,96.647 v1(57.023,92.964) ; U1.7@49.313,51.506 50.47,51.506 51.035,52.071 51.035,52.101 51.258,52.324 C3.2@51.308,52.324 53.766,52.324 53.893,52.451 v1(53.975,52.451) ; U3.7@49.313,73.657 50.47,73.657 51.035,74.222 51.035,74.252 51.258,74.475 C23.2@51.308,74.475 53.901,74.475 v1(53.975,74.549) ; U4.7@49.44,85.161 50.657,85.161 51.385,85.889 C33.2@51.435,85.889 51.472,85.852 51.49,85.87 53.957,85.87 v1(53.975,85.852) ; IC1.8@68.694,52.197 68.862,52.197 68.998,52.333 C2.1@68.998,53.848 68.998,55.028 69.596,55.626 v1(73.152,55.626) ; IC2.8@68.694,63.373 68.862,63.373 68.998,63.509 C12.1@68.998,65.024 68.998,65.95 69.342,66.294 v1(73.152,66.294) ; IC3.8@68.694,74.348 68.862,74.348 68.998,74.484 C22.1@68.998,75.999 68.998,77.507 69.215,77.724 v1(73.025,77.724) ; IC4.8@68.821,85.852 68.989,85.852 69.125,85.988 69.125,87.553 69.348,87.776 69.398,87.776 69.855,88.233 73.057,88.233 v1(73.152,88.138) ; v1(87.757,48.768) 86.905,49.62 C59.2@86.905,54.102 86.905,54.152 87.838,55.085 88.613,55.085 89.297,55.769 U10.19@89.297,57.48 ; 89.789,78.232 89.027,78.232 88.392,77.597 88.392,73.458 88.571,73.279 C58.2@89.064,73.279 ; v1(90.678,48.768) 90.678,53.062 89.839,53.901 C57.2@89.789,53.901 89.789,54.61 90.297,55.118 U10.21@90.297,57.48 U10.22@90.797,57.48 ; U10.59@90.797,68.58 90.797,70.299 89.064,72.032 C58.2@89.064,73.279 ; U10.56@92.297,68.58 92.297,70.517 91.313,71.501 91.313,74.737 90.829,75.221 89.243,75.221 89.064,75.042 C58.2@89.064,73.279
  Top Layer w0.508: C78.1@92.583,80.14 L1.2@94.173,80.14
  Layer 2 w0.762: v1(87.757,48.768) v1(90.678,48.768) 91.313,48.768 93.091,50.546 93.091,76.897 92.645,77.343 91.059,77.343 90.932,77.47
  Layer 2 w1.016: v1(53.975,52.451) v1(53.975,63.627) v1(53.975,74.549) v1(53.975,85.852) 53.975,91.567 55.372,92.964 73.152,92.964 ; v1(73.152,55.626) v1(73.152,66.294) 73.152,77.724 73.152,92.964 ; v1(90.424,78.359) v1(90.424,79.121) 90.424,85.09 82.55,92.964 73.152,92.964
  other v1: 91.186,78.359 91.186,79.121
AVSS: C8.1 C10.2 C18.1 C20.2 C28.1 C30.2 C38.1 C40.2 C44.1 C53.1 C54.1 C55.1 C57.1 C58.1 C59.1 C62.1 C63.2 C64.1 C85.1 IC1.4 IC2.4 IC3.4 IC4.4 IC5.4 L2.2 R66.2 U1.4 U2.4 U3.4 U4.4 U10.20 U10.23 U10.32 U10.53 U10.57 U10.58 | length 316.9
  Top Layer w0.305: v1(36.195,90.551) 36.277,90.551 36.531,90.297 C44.1@38.137,90.297 38.137,91.924 IC5.4@38.113,91.948 ; v1(43.434,71.12) 43.471,71.083 44.413,71.083 C30.2@44.45,71.046 44.45,72.357 U3.4@44.413,72.357 ; v1(43.561,60.071) C20.2@44.36,60.071 44.36,61.382 U2.4@44.413,61.382 ; U1.4@44.413,50.206 44.45,50.206 C10.2@44.45,48.895 v1(44.45,47.752) ; U4.4@44.54,83.861 44.577,83.861 C40.2@44.577,82.55 ; v1(57.531,56.134) 62.865,56.134 63.336,56.605 C18.1@63.336,57.912 63.336,59.513 IC2.4@63.386,59.563 ; v1(57.531,78.994) 63.12,78.994 63.463,79.337 C38.1@63.463,80.391 63.463,81.992 IC4.4@63.513,82.042 ; v1(57.658,67.31) 63.157,67.31 63.336,67.489 C28.1@63.336,68.887 63.336,70.488 IC3.4@63.386,70.538 ; v1@63.246,45.72 63.291,45.765 63.291,46.691 C8.1@63.336,46.736 63.336,48.337 IC1.4@63.386,48.387 ; v1(88.355,53.049) C59.1@88.355,54.102 88.355,54.152 89.797,55.594 U10.20@89.797,57.48 ; v1(89.789,51.144) C57.1@89.789,52.451 ; v1(90.398,74.512) 90.456,74.454 90.456,73.337 C58.1@90.514,73.279 90.514,71.557 91.297,70.774 U10.58@91.297,68.58 U10.57@91.797,68.58 ; v1(90.678,54.61) 91.297,55.229 U10.23@91.297,57.48 ; v1(92.075,75.438) C54.1@92.075,74.258 C53.1@93.599,74.258 ; U10.53@93.797,68.58 93.797,70.543 94.705,71.451 C55.1@94.705,71.501 94.906,71.702 94.906,72.725 95.25,73.07 v1(95.25,73.152) ; v1(94.488,51.308) C62.1@94.488,52.361 ; U10.32@95.797,57.48 v1(97.358,57.48) ; R66.2@96.102,43.688 96.102,44.921 v1(96.139,44.958) ; v1(96.52,48.895) C63.2@96.52,50.289 ; C64.1@98.388,54.991 v1(99.492,54.991)
  Top Layer w0.508: v1(43.561,82.55) C40.2@44.577,82.55 ; C85.1@87.884,89.855 89.437,89.855 L2.2@89.474,89.818
  Layer 2 w0.305: 39.751,60.071 v1(43.561,60.071) ; 39.751,71.12 v1(43.434,71.12) ; 44.323,45.771 44.45,45.898 v1(44.45,47.752) ; v1(88.355,53.049) 88.413,52.991 88.413,52.52 v1(89.789,51.144) ; 88.646,74.676 88.81,74.512 v1(90.398,74.512) ; 88.646,75.565 88.773,75.438 v1(92.075,75.438) ; v1(94.488,51.308) 98.044,51.308 98.171,51.181 ; 96.012,43.307 96.139,43.434 v1(96.139,44.958) ; v1(96.52,48.895) 98.171,48.895 ; 98.171,54.991 v1(99.492,54.991)
  Layer 2 w0.508: 39.751,82.55 v1(43.561,82.55)
  Layer 2 w0.762: 88.355,54.737 90.551,54.737 v1(90.678,54.61)
  Layer 2 w1.016: v1(36.195,90.551) 37.338,90.551 39.751,88.138 39.751,82.55 39.751,71.12 39.751,60.071 39.751,47.625 41.605,45.771 44.323,45.771 57.531,45.771 ; v1(57.531,78.994) v1(57.531,56.134) 57.531,45.771 ; 87.63,82.804 88.646,81.788 88.646,75.565 88.646,74.676 88.646,73.787 90.17,72.263 90.17,57.785 88.355,55.97 88.355,54.737 v1(88.355,53.049) 88.12,52.814 85.598,50.292 85.598,45.771 ; v1(95.25,73.152) 95.25,59.588 v1(97.358,57.48) 98.171,56.667 98.171,54.991 98.171,51.181 98.171,48.895 98.171,43.942 97.536,43.307 96.012,43.307 86.044,43.307 85.598,43.753 85.598,45.771 ; 57.531,45.771 63.269,45.771 85.598,45.771
  other v1: 63.269,45.743 86.042,84.201 86.995,84.201 87.947,84.201 86.042,85.344 86.995,85.344 87.947,85.344
DRDY: JP4.5 U10.47 | length 28.5
  Top Layer w0.152: U10.47@97.597,66.28 99.427,66.28 100.457,67.31 107.696,67.31 108.331,66.675 v1(108.331,63.246)
  Bottom Layer w0.152: v1(108.331,63.246) 119.38,63.246 121.158,61.468 JP4.5@121.285,61.468
GND: C56.1 JP4.10 R60.2 R61.2 R62.2 R64.2 R72.2 U10.31 U10.33 U10.41 U10.49 U10.51 | length 32.7
  Top Layer w0.152: v1@102.344,63.264 R62.2@102.344,64.244 ; v1@105.119,63.41 R64.2@105.119,64.262
  Top Layer w0.254: U10.51@94.797,68.58 94.797,69.823 96.139,71.165 96.139,71.882 96.393,72.136 v2(101.6,72.136) ; U10.49@95.797,68.58 v1(97.028,68.58) ; U10.33@97.597,59.28 99.851,59.28 v1(100.965,58.166) ; U10.41@97.597,63.28 98.708,63.28 98.793,63.195 99.063,63.195 99.122,63.136 100.941,63.136 v1(101.533,62.544) ; C56.1@99.15,70.612 101.451,70.612 101.6,70.463 v1(101.6,69.342)
  Top Layer w0.305: U10.31@95.297,57.48 95.299,57.478 95.299,56.584 95.623,56.261 v1(100.965,56.261) ; R62.2@102.325,64.262 R62.2@102.344,64.244 ; R60.2@102.325,65.786 v1(102.325,66.638) ; v1@102.344,63.264 v1(102.362,63.246) ; v1@105.119,63.41 v1(105.156,63.373) ; R61.2@105.156,65.786 v1(106.045,65.786)
  other v2: 109.22,74.422 109.982,74.422 109.22,75.184 109.982,75.184
IN1N: C50.2 R55.2 U10.15 | length 71.4
  Top Layer w0.305: R55.2@40.622,30.626 C50.2@42.019,30.626 ; C50.2@42.037,30.644 78.142,30.644 83.82,36.322 83.82,59.182 84.416,59.778 86.495,59.778 U10.15@86.497,59.78
  Top Layer w0.508: R55.2@40.55,30.607 R55.2@40.587,30.57 ; R55.2@40.603,30.607 R55.2@40.622,30.626 ; C50.2@42.019,30.626 C50.2@42.037,30.644